# KiCad board MXKeyboard.kicad_pcb (continued)
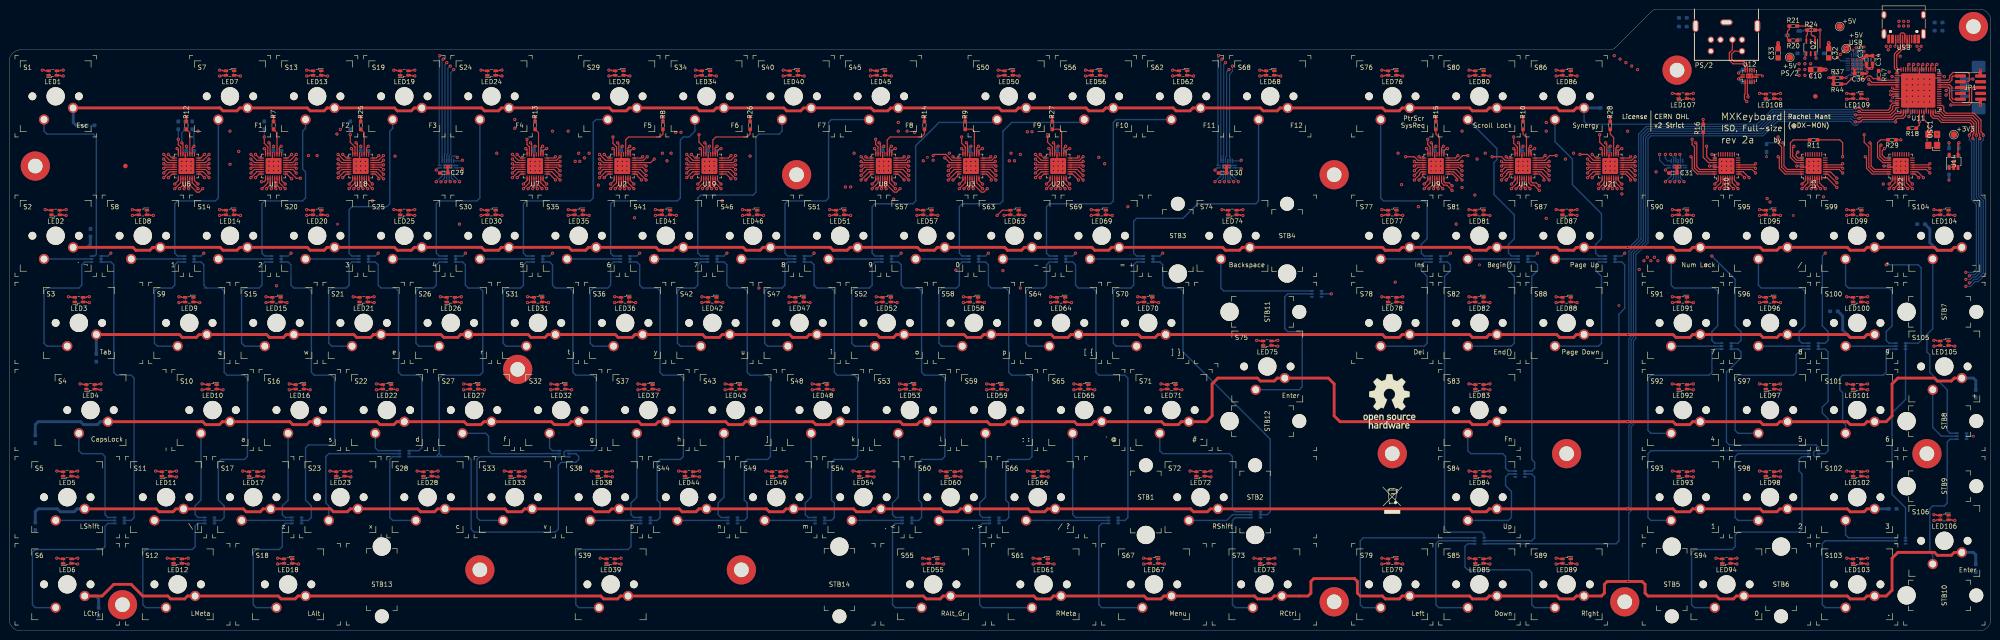
[diagram p0: board, top side]
## Library data of the parts
C1-C9 C14-C31 C34 = -: MFR: Multicomp; MPN: MC0603B104J250CT; OC_FARNELL: 2310559; URL_FARNELL: https://uk.farnell.com/multicomp/mc0603b104j250ct/cap-0-1-f-25v-5-x7r-0603-reel/dp/2310559
C10 C32 C33 = -: MFR: muRata; MPN: GRM21BR61A476ME15L; OC_FARNELL: 2611939; URL_FARNELL: https://uk.farnell.com/murata/grm21br61a476me15l/cap-47-f-10v-20-x5r-0805/dp/2611939
C11 C13 C35 C36 = -: MFR: Multicomp; MPN: MC0603B105K160CT; OC_FARNELL: 2320814; URL_FARNELL: https://uk.farnell.com/multicomp/mc0603b105k160ct/cap-1-f-16v-10-x7r-0603/dp/2320814
C12 = -: MFR: Multicomp; MPN: MC0603B471J500CT; OC_FARNELL: 2627442; URL_FARNELL: https://uk.farnell.com/multicomp/mc0603b471j500ct/cap-470pf-50v-5-x7r-0603/dp/2627442
D1-D37 = -: MFR: Nexperia; MPN: BAS16VY,115; OC_FARNELL: 8734240; URL_FARNELL: https://uk.farnell.com/nexperia/bas16vy-115/diode-switching-sot-363/dp/8734240
H1 H3 H5-H7 H10-H12 H14 = -: MFR: Accu; MPN: SHK-M3-20-A2-BL; URL: https://www.accu.co.uk/en/hexalobular-countersunk-screws/154624-SHK-M3-20-A2-BL
H2 H4 H8 H9 = -: MFR: Accu; MPN: SHP-M3-10-V2-A2-BL; URL: https://www.accu.co.uk/en/hexalobular-pan-head-screws/475666-SHP-M3-10-V2-A2-BL
H13 = -: MFR: Accu; MPN: SHP-M3-4-A2-BL; URL: https://www.accu.co.uk/en/hexalobular-pan-head-screws/154785-SHP-M3-4-A2-BL
J1 = -: MFR: Molex; OC_FARNELL: 1125374; URL_FARNELL: https://uk.farnell.com/molex/53261-0471/connector-header-4pos-1row-1-25mm/dp/1125374
JP1 = -: MFR: Amphenol ICC; MPN: 20021121-00010C4LF; OC_FARNELL: 1865279; URL_FARNELL: https://uk.farnell.com/amphenol-icc-fci/20021121-00010c4lf/connector-header-smt-r-a-1-27mm/dp/1865279
LED1-LED109 = -: MFR: Togia LED; MPN: TJ-S1615SW6TGLCCYRGB-A5; OC_LCSC: C273610; URL_LCSC: https://lcsc.com/product-detail/Light-Emitting-Diodes-LED_TOGIALED-TJ-S1615SW6TGLCCYRGB-A5_C273610.html
OSC1 = -: MFR: Multicomp; MPN: MCSJK-3N-16.00-3.3-25-B; OC_FARNELL: 2854286; URL_FARNELL: https://uk.farnell.com/multicomp/mcsjk-3n-16-00-3-3-25-b/oscillator-16mhz-3-2mm-x-2-5mm/dp/2854286
PS/2 = -: MFR: Lumberg; MPN: TM 0508 A/6; OC_FARNELL: 1200113; URL_FARNELL: https://uk.farnell.com/lumberg/tm-0508-a-6/socket-mini-din-chassis-6-way/dp/1200113
Q1 = -: MFR: Diodes Inc; OC_FARNELL: 2543546; URL_FARNELL: https://uk.farnell.com/diodes-inc/dmn65d8l-7/mosfet-n-ch-20v-sot-23-3/dp/2543546
Q2 = -: MFR: Diodes Inc; OC_FARNELL: 2543520; URL_FARNELL: https://uk.farnell.com/diodes-inc/dmp2240udm-7/mosfet-aec-q101-dual-p-ch-20v/dp/2543520
R1-R6 R30-R35 = -: MFR: Multicomp; MPN: MCWR06X2002FTL; OC_FARNELL: 2446610; URL_FARNELL: https://uk.farnell.com/multicomp/mcwr06x2002ftl/res-20k-1-0-1w-0603-thick-film/dp/2446610
R7-R11 = -: MFR: Multicomp; MPN: MCWR06X3302FTL; OC_FARNELL: 2447342; URL_FARNELL: https://uk.farnell.com/multicomp/mcwr06x3302ftl/res-33k-1-0-1w-0603-thick-film/dp/2447342
R12-R16 R25-R29 = -: MFR: Multicomp; MPN: MCWR06X1502FTL; OC_FARNELL: 2447256; URL_FARNELL: https://uk.farnell.com/multicomp/mcwr06x1502ftl/res-15k-1-0-1w-thick-film/dp/2447256
R17 R19 = -: MFR: Multicomp; MPN: MCWR06X1004FTL; OC_FARNELL: 2447285; URL_FARNELL: https://uk.farnell.com/multicomp/mcwr06x1004ftl/res-1m-1-0-1w-0603-thick-film/dp/2447285
R18 R20-R24 R36 R38 R47 = -: MFR: Multicomp; MPN: MCWR06X1002FTL; OC_FARNELL: 2446547; URL_FARNELL: https://uk.farnell.com/multicomp/mcwr06x1002ftl/res-10k-1-0-1w-0603-thick-film/dp/2446547
R37 R44 = -: MFR: Multicomp; MPN: MCWR06X5101FTL; OC_FARNELL: 2447404; URL_FARNELL: https://uk.farnell.com/multicomp/mcwr06x5101ftl/res-5k1-1-0-1w-0603-thick-film/dp/2447404
R45 R46 = -: MFR: Multicomp; MPN: MCWR06X1001FTL; OC_FARNELL: 2447272; URL_FARNELL: https://uk.farnell.com/multicomp/mcwr06x1001ftl/res-1k-1-0-1w-0603-thick-film/dp/2447272
S1-S75 S77-S106 = -: MFR: Cherry GmbH; MPN: MX1A-G1NA; OC_MOUSER: 540-MX1A-G1NA; URL_MOUSER: https://www.mouser.co.uk/ProductDetail/MX1A-G1NA
S76 = -: MFR: Cherry GmbH; MPN: MX1A-G1NA; OC_MOUSER: 540-MX1A-G1NA; URL_MOUSER: https://www.mouser.co.uk/ProductDetail/MX1A-G1NA; Value2: PtrScr
U1-U10 U18-U22 = -: MFR: Texas Instruments; OC_FARNELL: 3119197; URL_FARNELL: https://uk.farnell.com/texas-instruments/tlc5947rhbt/led-driver-constant-current-vqfn/dp/3119197
U11 = -: MFR: Atmel; OC_FARNELL: 2066308; URL_FARNELL: https://uk.farnell.com/microchip/atxmega256a3u-mh/mcu-8bit-avr-xmega-32mhz-qfn-64/dp/2066308
U12 = -: MFR: NXP; MPN: NTS0104BQ,115; OC_FARNELL: 2444925; URL_FARNELL: http://uk.farnell.com/nxp/nts0104bq-115/transceiver-bidir-translator-dhvqfn14/dp/2444925
U14 = -: MFR: Microchip; OC_FARNELL: 1331505; URL_FARNELL: https://uk.farnell.com/microchip/tc1015-3-3vct713/ic-v-reg-ldo-100ma-smd-sot-23/dp/1331505
U15-U17 = -: MFR: Nexperia; MPN: 74HC238BQ,115; OC_FARNELL: 2164750; URL_FARNELL: https://uk.farnell.com/nexperia/74hc238bq/ic-3-8-line-decoder-demux-dhvqfn16/dp/2164750
USB1 = -: MFR: Korean Hroparts Elec; OC_LCSC: C165948; URL_LCSC: https://lcsc.com/product-detail/USB-Type-C_Korean-Hroparts-Elec-TYPE-C-31-M-12_C165948.html

## Footprints (pads in the part's own frame, mm; a bottom-side part is the same pattern mirrored in y, then rotated)
C0603
  rrect 0.9x0.8 smd: 1(-0.85,0) 2(0.85,0)
C0805
  rrect 1.2x1.2 smd: 1(-1,0) 2(1,0)
DHVQFN-14-1EP_2.5x3mm_P0.5mm_EP1x1.5mm
  rrect 1x0.3 smd: 1(-1.5,-0.25) 7(1.5,-0.25) 8(1.5,0.25) 14(-1.5,0.25)
  rrect 0.3x1 smd: 2(-1,-1.25) 3(-0.5,-1.25) 4(0,-1.25) 5(0.5,-1.25) 6(1,-1.25) 9(1,1.25) 10(0.5,1.25) 11(0,1.25) 12(-0.5,1.25) 13(-1,1.25)
  rrect 1.6x1.1 smd: PGND(0,0)
DQFN16_1EP_2.5x3.5mm_P0.5mm
  rrect 1x0.3 smd: 1(-1.75,-0.25) 8(1.75,-0.25) 9(1.75,0.25) 16(-1.75,0.25)
  rrect 0.3x1 smd: 2(-1.25,-1.25) 3(-0.75,-1.25) 4(-0.25,-1.25) 5(0.25,-1.25) 6(0.75,-1.25) 7(1.25,-1.25) 10(1.25,1.25) 11(0.75,1.25) 12(0.25,1.25) 13(-0.25,1.25) 14(-0.75,1.25) 15(-1.25,1.25)
  rrect 2.1x1.1 smd: EP(0,0)
Fiducial_1mm_Mask2mm
  round 1 smd: (0,0)
LED0606_Clockwise
  rrect 1x0.6 smd: 1(0.9,0.5) 2(-0.9,0.5) 3(-0.9,-0.5) 4(0.9,-0.5)
Molex_PicoBlade_53261-0471_1x04-1MP_P1.25mm_Horizontal
  rrect 0.8x2 smd: 1(-1.875,2.6) 2(-0.625,2.6) 3(0.625,2.6) 4(1.875,2.6)
  rrect 2.5x3 smd: MP(-4.6,-0.5) MP(4.6,-0.5)
MountingHole_3.2mm_M3_Pad
  round 6.4 hole 3.2: 1(0,0)
MX_KEY_0.7X1.45
  round 1.702 hole 1.702 unplated: (-5.08,0) (5.08,0)
  round 3.988 hole 3.988 unplated: (0,0)
  round 2.248 hole 1.499: 1(-3.81,2.54) 2(2.54,5.08)
MX_KEY_1.1
  round 1.702 hole 1.702 unplated: (-5.08,0) (5.08,0)
  round 3.988 hole 3.988 unplated: (0,0)
  round 2.248 hole 1.499: 1(-3.81,2.54) 2(2.54,5.08)
MX_KEY_1.3
  round 1.702 hole 1.702 unplated: (-5.08,0) (5.08,0)
  round 3.988 hole 3.988 unplated: (0,0)
  round 2.248 hole 1.499: 1(-3.81,2.54) 2(2.54,5.08)
MX_KEY_1.25u
  round 1.702 hole 1.702 unplated: (-5.08,0) (5.08,0)
  round 3.988 hole 3.988 unplated: (0,0)
  round 2.248 hole 1.499: 1(-3.81,2.54) 2(2.54,5.08)
MX_KEY_1.45X0.7
  round 1.702 hole 1.702 unplated: (-5.08,0) (5.08,0)
  round 3.988 hole 3.988 unplated: (0,0)
  round 2.248 hole 1.499: 1(-3.81,2.54) 2(2.54,5.08)
MX_KEY_2
  round 1.702 hole 1.702 unplated: (-5.08,0) (5.08,0)
  round 3.988 hole 3.988 unplated: (0,0)
  round 2.248 hole 1.499: 1(-3.81,2.54) 2(2.54,5.08)
MX_KEY_4.45
  round 1.702 hole 1.702 unplated: (-5.08,0) (5.08,0)
  round 3.988 hole 3.988 unplated: (0,0)
  round 2.248 hole 1.499: 1(-3.81,2.54) 2(2.54,5.08)
MX_KEY_ENTER
  round 1.702 hole 1.702 unplated: (-5.08,0) (5.08,0)
  round 3.988 hole 3.988 unplated: (0,0)
  round 2.248 hole 1.499: 1(-3.81,2.54) 2(2.54,5.08)
MX_KEY_NORM
  round 1.702 hole 1.702 unplated: (-5.08,0) (5.08,0)
  round 3.988 hole 3.988 unplated: (0,0)
  round 2.248 hole 1.499: 1(-3.81,2.54) 2(2.54,5.08)
MX_STABILISER
  round 3.048 hole 3.048 unplated: (0,6.985)
  round 3.988 hole 3.988 unplated: (0,-8.255)
PinHeader_2x05_P1.27mm_Vertical_SMD
  rrect 2.4x0.74 smd: 1(-2.2,2.54) 2(2.2,2.54) 3(-2.2,1.27) 4(2.2,1.27) 5(-2.2,0) 6(2.2,0) 7(-2.2,-1.27) 8(2.2,-1.27) 9(-2.2,-2.54) 10(2.2,-2.54)
QFN-24-1EP_4x4mm_P0.5mm_EP2.6x2.6mm
  rrect 1.05x1.05 smd: (-0.65,-0.65) (-0.65,0.65) (0.65,-0.65) (0.65,0.65)
  rrect 1x0.25 smd: 1(-2.025,1.25) 2(-2.025,0.75) 3(-2.025,0.25) 4(-2.025,-0.25) 5(-2.025,-0.75) 6(-2.025,-1.25) 13(2.025,-1.25) 14(2.025,-0.75) 15(2.025,-0.25) 16(2.025,0.25) 17(2.025,0.75) 18(2.025,1.25)
  rrect 0.25x1 smd: 7(-1.25,-2.025) 8(-0.75,-2.025) 9(-0.25,-2.025) 10(0.25,-2.025) 11(0.75,-2.025) 12(1.25,-2.025) 19(1.25,2.025) 20(0.75,2.025) 21(0.25,2.025) 22(-0.25,2.025) 23(-0.75,2.025) 24(-1.25,2.025)
  rrect 2.6x2.6 smd: 25(0,0)
QFN-64-1EP_9x9mm_P0.5mm_EP7.5x7.5mm
  rrect 1.01x1.01 smd: (-3.125,3.125) (-3.125,1.875) (-3.125,0.625) (-3.125,-0.625) (-3.125,-1.875) (-3.125,-3.125) (-1.875,3.125) (-1.875,1.875) (-1.875,0.625) (-1.875,-0.625) (-1.875,-1.875) (-1.875,-3.125) (-0.625,3.125) (-0.625,1.875) (-0.625,0.625) (-0.625,-0.625) (-0.625,-1.875) (-0.625,-3.125) (0.625,3.125) (0.625,1.875) (0.625,0.625) (0.625,-0.625) (0.625,-1.875) (0.625,-3.125) (1.875,3.125) (1.875,1.875) (1.875,0.625) (1.875,-0.625) (1.875,-1.875) (1.875,-3.125) (3.125,3.125) (3.125,1.875) (3.125,0.625) (3.125,-0.625) (3.125,-1.875) (3.125,-3.125)
  rrect 1x0.25 smd: 1(-4.6,3.75) 2(-4.6,3.25) 3(-4.6,2.75) 4(-4.6,2.25) 5(-4.6,1.75) 6(-4.6,1.25) 7(-4.6,0.75) 8(-4.6,0.25) 9(-4.6,-0.25) 10(-4.6,-0.75) 11(-4.6,-1.25) 12(-4.6,-1.75) 13(-4.6,-2.25) 14(-4.6,-2.75) 15(-4.6,-3.25) 16(-4.6,-3.75) 33(4.6,-3.75) 34(4.6,-3.25) 35(4.6,-2.75) 36(4.6,-2.25) 37(4.6,-1.75) 38(4.6,-1.25) 39(4.6,-0.75) 40(4.6,-0.25) 41(4.6,0.25) 42(4.6,0.75) 43(4.6,1.25) 44(4.6,1.75) 45(4.6,2.25) 46(4.6,2.75) 47(4.6,3.25) 48(4.6,3.75)
  rrect 0.25x1 smd: 17(-3.75,-4.6) 18(-3.25,-4.6) 19(-2.75,-4.6) 20(-2.25,-4.6) 21(-1.75,-4.6) 22(-1.25,-4.6) 23(-0.75,-4.6) 24(-0.25,-4.6) 25(0.25,-4.6) 26(0.75,-4.6) 27(1.25,-4.6) 28(1.75,-4.6) 29(2.25,-4.6) 30(2.75,-4.6) 31(3.25,-4.6) 32(3.75,-4.6) 49(3.75,4.6) 50(3.25,4.6) 51(2.75,4.6) 52(2.25,4.6) 53(1.75,4.6) 54(1.25,4.6) 55(0.75,4.6) 56(0.25,4.6) 57(-0.25,4.6) 58(-0.75,4.6) 59(-1.25,4.6) 60(-1.75,4.6) 61(-2.25,4.6) 62(-2.75,4.6) 63(-3.25,4.6) 64(-3.75,4.6)
  rrect 7.5x7.5 smd: 65(0,0)
R0603
  rrect 0.9x0.8 smd: 1(-0.85,0) 2(0.85,0)
SMD3225
  rrect 1.6x1.4 smd: 1(-1.2,-0.95) 2(1.2,-0.95) 3(1.2,0.95) 4(-1.2,0.95)
SOT-23
  rrect 1.2x0.8 smd: 1(-1.3,0.95) 2(-1.3,-0.95) 3(1.3,0)
SOT-23-5
  rrect 1.1x0.65 smd: 1(-1.35,0.95) 2(-1.35,0) 3(-1.35,-0.95) 4(1.35,-0.95) 5(1.35,0.95)
SOT-26
  rrect 1.1x0.4 smd: 1(-1.35,0.95) 2(-1.35,0) 3(-1.35,-0.95) 4(1.35,-0.95) 5(1.35,0) 6(1.35,0.95)
SOT-363_SC-70-6
  rrect 0.8x0.4 smd: 1(-1.05,0.65) 2(-1.05,0) 3(-1.05,-0.65) 4(1.05,-0.65) 5(1.05,0) 6(1.05,0.65)
TestPoint_Pad_D1.5mm
  round 1.5 smd: 1(0,0)
TM 0508 A_6
  round 1.4 hole 0.9: 1(1.3,-3) 2(-1.3,-3) 3(3.4,-3) 4(-3.4,-3) 5(3.4,-5.5) 6(-3.4,-5.5)
  oval 1.3x2.7 hole 0.8x2.2: PE(-6.75,0) PE(6.75,0)
  oval 2.7x1.3 hole 2.2x0.8: PE(0,0.8)
USB_C_Receptacle_HRO_TYPE-C-31-M-12
  round 0.65 hole 0.65 unplated: (-2.89,2.6) (2.89,2.6)
  rrect 0.6x1.85 smd: A1(-3.25,4.245) A4(-2.45,4.245) A9(2.45,4.245) A12(3.25,4.245) B1(3.25,4.245) B4(2.45,4.245) B9(-2.45,4.245) B12(-3.25,4.245)
  rrect 0.3x1.85 smd: A5(-1.25,4.245) A6(-0.25,4.245) A7(0.25,4.245) A8(1.25,4.245) B5(1.75,4.245) B6(0.75,4.245) B7(-0.75,4.245) B8(-1.75,4.245)
  oval 1.1x2.2 hole 0.6x1.7: S1(-4.32,3.13) S1(4.32,3.13)
  oval 1.1x1.7 hole 0.6x1.2: S1(-4.32,-1.05) S1(4.32,-1.05)
VQFN-32-1EP_5x5mm_P0.5mm_EP3.5x3.5mm
  rrect 1.41x1.41 smd: (-0.875,0.875) (-0.875,-0.875) (0.875,0.875) (0.875,-0.875)
  rrect 1x0.25 smd: 1(-2.55,1.75) 2(-2.55,1.25) 3(-2.55,0.75) 4(-2.55,0.25) 5(-2.55,-0.25) 6(-2.55,-0.75) 7(-2.55,-1.25) 8(-2.55,-1.75) 17(2.55,-1.75) 18(2.55,-1.25) 19(2.55,-0.75) 20(2.55,-0.25) 21(2.55,0.25) 22(2.55,0.75) 23(2.55,1.25) 24(2.55,1.75)
  rrect 0.25x1 smd: 9(-1.75,-2.55) 10(-1.25,-2.55) 11(-0.75,-2.55) 12(-0.25,-2.55) 13(0.25,-2.55) 14(0.75,-2.55) 15(1.25,-2.55) 16(1.75,-2.55) 25(1.75,2.55) 26(1.25,2.55) 27(0.75,2.55) 28(0.25,2.55) 29(-0.25,2.55) 30(-0.75,2.55) 31(-1.25,2.55) 32(-1.75,2.55)
  rrect 3.5x3.5 smd: 33(0,0)

## Nets
+3V3: C2.1 C3.1 C4.1 C5.1 C6.1 C9.1 C13.1 C14.1 C15.1 C16.1 C17.1 C18.1 C19.1 C20.1 C21.1 C22.1 C23.1 C24.1 C25.1 C26.1 C27.1 C28.1 C29.1 C30.1 C31.1 J1.1 JP1.4 OSC1.4 R18.2 R38.2 R47.1 TP4.1 U1.28 U2.28 U3.28 U4.28 U5.28 U6.28 U7.28 U8.28 U9.28 U10.28 U11.15 U11.25 U11.35 U11.45 U11.53 U11.61 U12.1 U12.8 U14.5 U15.6 U15.16 U16.16 U17.16 U18.28 U19.28 U20.28 U21.28 U22.28
+5V: C10.1 C11.1 LED1.1 LED2.1 LED3.1 LED4.1 LED5.1 LED6.1 LED7.1 LED8.1 LED9.1 LED10.1 LED11.1 LED12.1 LED13.1 LED14.1 LED15.1 LED16.1 LED17.1 LED18.1 LED19.1 LED20.1 LED21.1 LED22.1 LED23.1 LED24.1 LED25.1 LED26.1 LED27.1 LED28.1 LED29.1 LED30.1 LED31.1 LED32.1 LED33.1 LED34.1 LED35.1 LED36.1 LED37.1 LED38.1 LED39.1 LED40.1 LED41.1 LED42.1 LED43.1 LED44.1 LED45.1 LED46.1 LED47.1 LED48.1 LED49.1 LED50.1 LED51.1 LED52.1 LED53.1 LED54.1 LED55.1 LED56.1 LED57.1 LED58.1 LED59.1 LED60.1 LED61.1 LED62.1 LED63.1 LED64.1 LED65.1 LED66.1 LED67.1 LED68.1 LED69.1 LED70.1 LED71.1 LED72.1 LED73.1 LED74.1 LED75.1 LED76.1 LED77.1 LED78.1 LED79.1 LED80.1 LED81.1 LED82.1 LED83.1 LED84.1 LED85.1 LED86.1 LED87.1 LED88.1 LED89.1 LED90.1 LED91.1 LED92.1 LED93.1 LED94.1 LED95.1 LED96.1 LED97.1 LED98.1 LED99.1 LED100.1 LED101.1 LED102.1 LED103.1 LED104.1 LED105.1 LED106.1 LED107.1 LED108.1 LED109.1 Q2.2 Q2.5 R20.1 TP2.1 U14.1 U14.3
/5V_PS2: C8.1 C33.1 PS/2.4 Q2.4 R36.1 TP3.1 U12.14
/5V_USB: C32.1 Q2.6 R22.1 R23.1 R24.2 TP1.1 U13.11 U13.18 USB1.A4 USB1.A9 USB1.B4 USB1.B9
GND: C1.2 C2.2 C3.2 C4.2 C5.2 C6.2 C7.1 C8.2 C9.2 C10.2 C11.2 C12.2 C13.2 C14.2 C15.2 C16.2 C17.2 C18.2 C19.2 C20.2 C21.2 C22.2 C23.2 C24.2 C25.2 C26.2 C27.2 C28.2 C29.2 C30.2 C31.2 C32.2 C33.2 C34.2 C35.2 C36.2 D15.3 D15.4 D17.3 D17.4 D26.3 D26.4 D30.3 D30.4 D36.3 D36.4 H1.1 H2.1 H3.1 H4.1 H5.1 H6.1 H7.1 H8.1 H9.1 H10.1 H11.1 H12.1 H13.1 H14.1 J1.4 J1.MP JP1.2 JP1.10 OSC1.2 PS/2.3 Q1.2 R1.1 R2.1 R3.1 R4.1 R5.1 R6.1 R7.2 R8.2 R9.2 R10.2 R11.2 R12.2 R13.2 R14.2 R15.2 R16.2 R17.2 R19.2 R22.2 R25.2 R26.2 R27.2 R28.2 R29.2 R30.2 R31.2 R32.2 R33.2 R34.2 R35.2 R36.2 R37.2 R39.2 R40.1 R41.1 R42.1 R43.2 R44.2 U1.29 U1.33 U2.29 U2.33 U3.29 U3.33 U4.29 U4.33 U5.29 U5.33 U6.29 U6.33 U7.29 U7.33 U8.29 U8.33 U9.29 U9.33 U10.29 U10.33 U11.14 U11.24 U11.34 U11.44 U11.52 U11.60 U11.65 U12.7 U12.PGND U13.1 U13.2 U13.19 U13.22 U13.25 U14.2 U15.8 U15.EP U16.5 U16.8 U16.EP U17.5 U17.8 U17.EP U18.29 U18.33 U19.29 U19.33 U20.29 U20.33 U21.29 U21.33 U22.29 U22.33 USB1.A1 USB1.A12 USB1.B1 USB1.B12
/Column decode/COLUMN1: D1.1 D1.2 D1.3 D2.1 D2.2 D2.3 U15.15
/Column decode/COLUMN2: D3.1 D3.2 D3.3 D4.1 D4.2 D4.3 U15.14
/Column decode/COLUMN3: D5.1 D5.2 D5.3 D6.1 D6.2 D6.3 U15.13
/Column decode/COLUMN4: D7.1 D7.2 D7.3 D8.1 D8.2 U15.12
/Column decode/COLUMN5: D8.3 D9.1 D9.2 D9.3 D11.2 U15.11
/Column decode/COLUMN6: D10.1 D10.2 D10.3 D11.1 D11.3 U15.10
/Column decode/COLUMN7: D12.1 D12.2 D12.3 D13.1 D13.2 D13.3 U15.9
/Column decode/COLUMN8: D14.1 D14.2 D14.3 D15.1 D15.2 U15.7
/Column decode/COLUMN9: D16.1 D16.2 D16.3 D17.1 D17.2 U16.15
/Column decode/COLUMN10: D18.1 D18.2 D18.3 D19.1 D19.2 D19.3 U16.14
/Column decode/COLUMN11: D20.1 D20.2 D20.3 D21.1 D21.2 D21.3 U16.13
/Column decode/COLUMN12: D22.1 D22.2 D22.3 D23.1 D23.2 D23.3 U16.12
/Column decode/COLUMN13: D24.1 D24.2 D24.3 D25.1 D25.2 D25.3 U16.11
/Column decode/COLUMN14: D26.1 D26.2 U16.10
/Column decode/COLUMN15: D27.1 D27.2 D27.3 D31.1 U16.9
/Column decode/COLUMN16: D28.1 D28.2 D28.3 D30.1 D30.2 D31.2 U16.7
/Column decode/COLUMN17: D29.1 D29.2 D29.3 D31.3 U17.15
/Column decode/COLUMN18: D32.1 D32.2 D32.3 D33.1 D33.3 U17.14
/Column decode/COLUMN19: D33.2 D34.1 D34.2 D34.3 U17.13
/Column decode/COLUMN20: D35.1 D35.2 D35.3 D36.1 D36.2 U17.12
/Column decode/COLUMN21: D37.1 D37.2 D37.3 U17.11
/Column decode/DCOL1: U11.62 U15.1 U16.1 U17.1
/Column decode/DCOL2: U11.63 U15.2 U16.2 U17.2
/Column decode/DCOL3: U11.64 U15.3 U16.3 U17.3
/Column decode/DCOL4: U11.1 U15.4 U16.6 U17.4
/Column decode/DCOL5: U11.2 U15.5 U16.4 U17.6
/Key matrix/ROW1: R1.2 R30.1 S1.1 S7.1 S13.1 S19.1 S24.1 S29.1 S34.1 S40.1 S45.1 S50.1 S56.1 S62.1 S68.1 S76.1 S80.1 S86.1 U11.46
/Key matrix/ROW2: R2.2 R31.1 S2.1 S8.1 S14.1 S20.1 S25.1 S30.1 S35.1 S41.1 S46.1 S51.1 S57.1 S63.1 S69.1 S74.1 S77.1 S81.1 S87.1 S90.1 S95.1 S99.1 S104.1 U11.47
/Key matrix/ROW3: R3.2 R32.1 S3.1 S9.1 S15.1 S21.1 S26.1 S31.1 S36.1 S42.1 S47.1 S52.1 S58.1 S64.1 S70.1 S78.1 S82.1 S88.1 S91.1 S96.1 S100.1 U11.48
/Key matrix/ROW4: R4.2 R33.1 S4.1 S10.1 S16.1 S22.1 S27.1 S32.1 S37.1 S43.1 S48.1 S53.1 S59.1 S65.1 S71.1 S75.1 S83.1 S92.1 S97.1 S101.1 S105.1 U11.49
/Key matrix/ROW5: R5.2 R34.1 S5.1 S11.1 S17.1 S23.1 S28.1 S33.1 S38.1 S44.1 S49.1 S54.1 S60.1 S66.1 S72.1 S84.1 S93.1 S98.1 S102.1 U11.50
/Key matrix/ROW6: R6.2 R35.1 S6.1 S12.1 S18.1 S39.1 S55.1 S61.1 S67.1 S73.1 S79.1 S85.1 S89.1 S94.1 S103.1 S106.1 U11.51
/LEDs + Drivers/BLANK: R38.1 R42.2 U1.30 U2.30 U3.30 U4.30 U5.30 U6.30 U7.30 U8.30 U9.30 U10.30 U11.40 U18.30 U19.30 U20.30 U21.30 U22.30
/LEDs + Drivers/COPI_BLUE: U10.32 U11.23
/LEDs + Drivers/COPI_GREEN: U5.32 U11.19
/LEDs + Drivers/COPI_RED: U11.29 U22.32
/LEDs + Drivers/MISO_BLUE: U6.25
/LEDs + Drivers/MISO_GREEN: U1.25
/LEDs + Drivers/MISO_RED: U18.25
/LEDs + Drivers/RED1: LED1.4 U18.1
/LEDs + Drivers/RED2: LED2.4 U18.2
/LEDs + Drivers/RED3: LED3.4 U18.3
/LEDs + Drivers/RED4: LED4.4 U18.4
/LEDs + Drivers/RED5: LED5.4 U18.5
/LEDs + Drivers/RED6: LED6.4 U18.6
/LEDs + Drivers/RED7: LED7.4 U18.7
/LEDs + Drivers/RED8: LED8.4 U18.8
/LEDs + Drivers/RED9: LED9.4 U18.9
/LEDs + Drivers/RED10: LED10.4 U18.10
/LEDs + Drivers/RED11: LED11.4 U18.11
/LEDs + Drivers/RED12: LED12.4 U18.12
/LEDs + Drivers/RED13: LED13.4 U18.13
/LEDs + Drivers/RED14: LED14.4 U18.14
/LEDs + Drivers/RED15: LED15.4 U18.15
/LEDs + Drivers/RED16: LED16.4 U18.16
/LEDs + Drivers/RED17: LED17.4 U18.17
/LEDs + Drivers/RED18: LED18.4 U18.18
/LEDs + Drivers/RED19: LED19.4 U18.19
/LEDs + Drivers/RED20: LED20.4 U18.20
/LEDs + Drivers/RED21: LED21.4 U18.21
/LEDs + Drivers/RED22: LED22.4 U18.22
/LEDs + Drivers/RED23: LED23.4 U18.23
/LEDs + Drivers/RED24: LED24.4 U18.24
/LEDs + Drivers/RED25: LED25.4 U19.1
/LEDs + Drivers/RED26: LED26.4 U19.2
/LEDs + Drivers/RED27: LED27.4 U19.3
/LEDs + Drivers/RED28: LED28.4 U19.4
/LEDs + Drivers/RED29: LED29.4 U19.5
/LEDs + Drivers/RED30: LED30.4 U19.6
/LEDs + Drivers/RED31: LED31.4 U19.7
/LEDs + Drivers/RED32: LED32.4 U19.8
/LEDs + Drivers/RED33: LED33.4 U19.9
/LEDs + Drivers/RED34: LED34.4 U19.10
/LEDs + Drivers/RED35: LED35.4 U19.11
/LEDs + Drivers/RED36: LED36.4 U19.12
/LEDs + Drivers/RED37: LED37.4 U19.13
/LEDs + Drivers/RED38: LED38.4 U19.14
/LEDs + Drivers/RED39: LED39.4 U19.15
/LEDs + Drivers/RED40: LED40.4 U19.16
/LEDs + Drivers/RED41: LED41.4 U19.17
/LEDs + Drivers/RED42: LED42.4 U19.18
/LEDs + Drivers/RED43: LED43.4 U19.19
/LEDs + Drivers/RED44: LED44.4 U19.20
/LEDs + Drivers/RED45: LED45.4 U19.21
/LEDs + Drivers/RED46: LED46.4 U19.22
/LEDs + Drivers/RED47: LED47.4 U19.23
/LEDs + Drivers/RED48: LED48.4 U19.24
/LEDs + Drivers/RED49: LED49.4 U20.1
/LEDs + Drivers/RED50: LED50.4 U20.2
/LEDs + Drivers/RED51: LED51.4 U20.3
/LEDs + Drivers/RED52: LED52.4 U20.4
/LEDs + Drivers/RED53: LED53.4 U20.5
/LEDs + Drivers/RED54: LED54.4 U20.6
/LEDs + Drivers/RED55: LED55.4 U20.7
/LEDs + Drivers/RED56: LED56.4 U20.8
/LEDs + Drivers/RED57: LED57.4 U20.9
/LEDs + Drivers/RED58: LED58.4 U20.10
/LEDs + Drivers/RED59: LED59.4 U20.11
/LEDs + Drivers/RED60: LED60.4 U20.12
/LEDs + Drivers/RED61: LED61.4 U20.13
/LEDs + Drivers/RED62: LED62.4 U20.14
/LEDs + Drivers/RED63: LED63.4 U20.15
/LEDs + Drivers/RED64: LED64.4 U20.16
/LEDs + Drivers/RED65: LED65.4 U20.17
/LEDs + Drivers/RED66: LED66.4 U20.18
/LEDs + Drivers/RED67: LED67.4 U20.19
/LEDs + Drivers/RED68: LED68.4 U20.20
/LEDs + Drivers/RED69: LED69.4 U20.21
/LEDs + Drivers/RED70: LED70.4 U20.22
/LEDs + Drivers/RED71: LED71.4 U20.23
/LEDs + Drivers/RED72: LED72.4 U20.24
/LEDs + Drivers/RED73: LED73.4 U21.1
/LEDs + Drivers/RED74: LED74.4 U21.2
/LEDs + Drivers/RED75: LED75.4 U21.3
/LEDs + Drivers/RED76: LED76.4 U21.4
/LEDs + Drivers/RED77: LED77.4 U21.5
/LEDs + Drivers/RED78: LED78.4 U21.6
/LEDs + Drivers/RED79: LED79.4 U21.7
/LEDs + Drivers/RED80: LED80.4 U21.8
/LEDs + Drivers/RED81: LED81.4 U21.9
/LEDs + Drivers/RED82: LED82.4 U21.10
/LEDs + Drivers/RED83: LED83.4 U21.11
/LEDs + Drivers/RED84: LED84.4 U21.12
/LEDs + Drivers/RED85: LED85.4 U21.13
/LEDs + Drivers/RED86: LED86.4 U21.14
/LEDs + Drivers/RED87: LED87.4 U21.15
/LEDs + Drivers/RED88: LED88.4 U21.16
/LEDs + Drivers/RED89: LED89.4 U21.17
/LEDs + Drivers/RED90: LED90.4 U21.18
/LEDs + Drivers/RED91: LED91.4 U21.19
/LEDs + Drivers/RED92: LED92.4 U21.20
/LEDs + Drivers/RED93: LED93.4 U21.21
/LEDs + Drivers/RED94: LED94.4 U21.22
/LEDs + Drivers/RED95: LED95.4 U21.23
/LEDs + Drivers/RED96: LED96.4 U21.24
/LEDs + Drivers/RED97: LED97.4 U22.1
/LEDs + Drivers/RED98: LED98.4 U22.2
/LEDs + Drivers/RED99: LED99.4 U22.3
/LEDs + Drivers/RED100: LED100.4 U22.4
/LEDs + Drivers/RED101: LED101.4 U22.5
/LEDs + Drivers/RED102: LED102.4 U22.6
/LEDs + Drivers/RED103: LED103.4 U22.7
/LEDs + Drivers/RED104: LED104.4 U22.8
/LEDs + Drivers/RED105: LED105.4 U22.9
/LEDs + Drivers/RED106: LED106.4 U22.10
/LEDs + Drivers/RED107: LED107.4 U22.11
/LEDs + Drivers/RED108: LED108.4 U22.12
/LEDs + Drivers/RED109: LED109.4 U22.13
/LEDs + Drivers/SCLK_BLUE: R40.2 U6.31 U7.31 U8.31 U9.31 U10.31 U11.21
/LEDs + Drivers/SCLK_GREEN: R39.1 U1.31 U2.31 U3.31 U4.31 U5.31 U11.17
/LEDs + Drivers/SCLK_RED: R41.2 U11.27 U18.31 U19.31 U20.31 U21.31 U22.31
/LEDs + Drivers/XLAT: R43.1 U1.26 U2.26 U3.26 U4.26 U5.26 U6.26 U7.26 U8.26 U9.26 U10.26 U11.41 U18.26 U19.26 U20.26 U21.26 U22.26
/Processor + comms/16MHZ: OSC1.3 U11.59
/Processor + comms/CC1: U13.15 USB1.A5
/Processor + comms/CC2: U13.14 USB1.B5
/Processor + comms/D+: U11.33 U13.17 USB1.A6 USB1.B6
/Processor + comms/D-: U11.32 U13.16 USB1.A7 USB1.B7
/Processor + comms/DBG_RX: J1.3 U11.42
/Processor + comms/DBG_TX: J1.2 U11.43
/Processor + comms/EARTH_PS/2: C7.2 PS/2.PE R19.1
/Processor + comms/EARTH_USB: C1.1 R17.1 USB1.S1
/Processor + comms/PD_VCore: C36.1 U13.24
/Processor + comms/PD_VIO: C34.1 C35.1 R45.2 R46.2 U13.23
/Processor + comms/PS2_CLK: PS/2.5 U12.12
/Processor + comms/PS2_DATA: PS/2.1 U12.13
/Processor + comms/TCK: JP1.1 U11.12
/Processor + comms/TDI: JP1.9 U11.11
/Processor + comms/TDO: JP1.3 U11.13
/Processor + comms/TMS: JP1.5 U11.10
/Processor + comms/~{PD_OK}: R47.2 U11.36 U13.4
/Processor + comms/~{RESET}: JP1.6 R18.1 U11.57
Net-(C12-Pad1): C12.1 U14.4
Net-(D1-Pad4): D1.4 S3.2
Net-(D1-Pad5): D1.5 S2.2
Net-(D2-Pad4): D2.4 S6.2
Net-(D3-Pad4): D3.4 S9.2
Net-(D3-Pad5): D3.5 S8.2
Net-(D3-Pad6): D3.6 S7.2
Net-(D4-Pad4): D4.4 S12.2
Net-(D4-Pad5): D4.5 S11.2
Net-(D5-Pad4): D5.4 S15.2
Net-(D5-Pad5): D5.5 S14.2
Net-(D6-Pad5): D6.5 S17.2
Net-(D6-Pad6): D6.6 S16.2
Net-(D7-Pad5): D7.5 S20.2
Net-(D8-Pad4): D8.4 S28.2
Net-(D8-Pad6): D8.6 S22.2
Net-(D9-Pad4): D9.4 S26.2
Net-(D9-Pad5): D9.5 S25.2
Net-(D10-Pad4): D10.4 S31.2
Net-(D11-Pad4): D11.4 S33.2
Net-(D11-Pad5): D11.5 S27.2
Net-(D11-Pad6): D11.6 S32.2
Net-(D12-Pad4): D12.4 S36.2
Net-(D12-Pad5): D12.5 S35.2
Net-(D14-Pad4): D14.4 S42.2
Net-(D14-Pad5): D14.5 S41.2
Net-(D14-Pad6): D14.6 S40.2
Net-(D15-Pad6): D15.6 S43.2
Net-(D16-Pad5): D16.5 S46.2
Net-(D16-Pad6): D16.6 S45.2
Net-(D17-Pad6): D17.6 S48.2
Net-(D18-Pad5): D18.5 S51.2
Net-(D18-Pad6): D18.6 S50.2
Net-(D19-Pad6): D19.6 S53.2
Net-(D20-Pad4): D20.4 S58.2
Net-(D20-Pad6): D20.6 S56.2
Net-(D21-Pad4): D21.4 S61.2
Net-(D21-Pad5): D21.5 S60.2
Net-(D21-Pad6): D21.6 S59.2
Net-(D22-Pad4): D22.4 S64.2
Net-(D22-Pad5): D22.5 S63.2
Net-(D22-Pad6): D22.6 S62.2
Net-(D23-Pad4): D23.4 S67.2
Net-(D23-Pad5): D23.5 S66.2
Net-(D23-Pad6): D23.6 S65.2
Net-(D24-Pad4): D24.4 S70.2
Net-(D24-Pad6): D24.6 S68.2
Net-(D26-Pad5): D26.5 S75.2
Net-(D27-Pad5): D27.5 S77.2
Net-(D27-Pad6): D27.6 S76.2
Net-(D28-Pad5): D28.5 S81.2
Net-(D28-Pad6): D28.6 S80.2
Net-(D29-Pad4): D29.4 S88.2
Net-(D29-Pad5): D29.5 S87.2
Net-(D30-Pad5): D30.5 S84.2
Net-(D30-Pad6): D30.6 S83.2
Net-(D31-Pad4): D31.4 S89.2
Net-(D31-Pad5): D31.5 S85.2
Net-(D31-Pad6): D31.6 S79.2
Net-(D32-Pad4): D32.4 S92.2
Net-(D32-Pad6): D32.6 S90.2
Net-(D33-Pad5): D33.5 S98.2
Net-(D34-Pad5): D34.5 S96.2
Net-(D34-Pad6): D34.6 S95.2
Net-(D35-Pad4): D35.4 S101.2
Net-(D35-Pad5): D35.5 S100.2
Net-(D35-Pad6): D35.6 S99.2
Net-(D36-Pad5): D36.5 S103.2
Net-(D36-Pad6): D36.6 S102.2
Net-(D37-Pad4): D37.4 S106.2
Net-(D37-Pad5): D37.5 S105.2
Net-(D37-Pad6): D37.6 S104.2
Net-(LED1-Pad2): LED1.2 U6.1
Net-(LED1-Pad3): LED1.3 U1.1
Net-(LED2-Pad2): LED2.2 U6.2
Net-(LED2-Pad3): LED2.3 U1.2
Net-(LED3-Pad2): LED3.2 U6.3
Net-(LED3-Pad3): LED3.3 U1.3
Net-(LED4-Pad2): LED4.2 U6.4
Net-(LED4-Pad3): LED4.3 U1.4
Net-(LED5-Pad2): LED5.2 U6.5
Net-(LED5-Pad3): LED5.3 U1.5
Net-(LED6-Pad2): LED6.2 U6.6
Net-(LED6-Pad3): LED6.3 U1.6
Net-(LED7-Pad2): LED7.2 U6.7
Net-(LED7-Pad3): LED7.3 U1.7
Net-(LED8-Pad2): LED8.2 U6.8
Net-(LED8-Pad3): LED8.3 U1.8
Net-(LED9-Pad2): LED9.2 U6.9
Net-(LED9-Pad3): LED9.3 U1.9
Net-(LED10-Pad2): LED10.2 U6.10
Net-(LED10-Pad3): LED10.3 U1.10
Net-(LED11-Pad2): LED11.2 U6.11
Net-(LED11-Pad3): LED11.3 U1.11
Net-(LED12-Pad2): LED12.2 U6.12
Net-(LED12-Pad3): LED12.3 U1.12
Net-(LED13-Pad2): LED13.2 U6.13
Net-(LED13-Pad3): LED13.3 U1.13
Net-(LED14-Pad2): LED14.2 U6.14
Net-(LED14-Pad3): LED14.3 U1.14
Net-(LED15-Pad2): LED15.2 U6.15
Net-(LED15-Pad3): LED15.3 U1.15
Net-(LED16-Pad2): LED16.2 U6.16
Net-(LED16-Pad3): LED16.3 U1.16
Net-(LED17-Pad2): LED17.2 U6.17
Net-(LED17-Pad3): LED17.3 U1.17
Net-(LED18-Pad2): LED18.2 U6.18
Net-(LED18-Pad3): LED18.3 U1.18
Net-(LED19-Pad2): LED19.2 U6.19
Net-(LED19-Pad3): LED19.3 U1.19
Net-(LED20-Pad2): LED20.2 U6.20
Net-(LED20-Pad3): LED20.3 U1.20
Net-(LED21-Pad2): LED21.2 U6.21
Net-(LED21-Pad3): LED21.3 U1.21
Net-(LED22-Pad2): LED22.2 U6.22
Net-(LED22-Pad3): LED22.3 U1.22
Net-(LED23-Pad2): LED23.2 U6.23
Net-(LED23-Pad3): LED23.3 U1.23
Net-(LED24-Pad2): LED24.2 U6.24
Net-(LED24-Pad3): LED24.3 U1.24
Net-(LED25-Pad2): LED25.2 U7.1
Net-(LED25-Pad3): LED25.3 U2.1
Net-(LED26-Pad2): LED26.2 U7.2
Net-(LED26-Pad3): LED26.3 U2.2
Net-(LED27-Pad2): LED27.2 U7.3
Net-(LED27-Pad3): LED27.3 U2.3
Net-(LED28-Pad2): LED28.2 U7.4
Net-(LED28-Pad3): LED28.3 U2.4
Net-(LED29-Pad2): LED29.2 U7.5
Net-(LED29-Pad3): LED29.3 U2.5
Net-(LED30-Pad2): LED30.2 U7.6
Net-(LED30-Pad3): LED30.3 U2.6
Net-(LED31-Pad2): LED31.2 U7.7
Net-(LED31-Pad3): LED31.3 U2.7
Net-(LED32-Pad2): LED32.2 U7.8
Net-(LED32-Pad3): LED32.3 U2.8
Net-(LED33-Pad2): LED33.2 U7.9
Net-(LED33-Pad3): LED33.3 U2.9
Net-(LED34-Pad2): LED34.2 U7.10
Net-(LED34-Pad3): LED34.3 U2.10
Net-(LED35-Pad2): LED35.2 U7.11
Net-(LED35-Pad3): LED35.3 U2.11
Net-(LED36-Pad2): LED36.2 U7.12
Net-(LED36-Pad3): LED36.3 U2.12
Net-(LED37-Pad2): LED37.2 U7.13
Net-(LED37-Pad3): LED37.3 U2.13
Net-(LED38-Pad2): LED38.2 U7.14
Net-(LED38-Pad3): LED38.3 U2.14
Net-(LED39-Pad2): LED39.2 U7.15
Net-(LED39-Pad3): LED39.3 U2.15
Net-(LED40-Pad2): LED40.2 U7.16
Net-(LED40-Pad3): LED40.3 U2.16
Net-(LED41-Pad2): LED41.2 U7.17
Net-(LED41-Pad3): LED41.3 U2.17
Net-(LED42-Pad2): LED42.2 U7.18
Net-(LED42-Pad3): LED42.3 U2.18
Net-(LED43-Pad2): LED43.2 U7.19
Net-(LED43-Pad3): LED43.3 U2.19
Net-(LED44-Pad2): LED44.2 U7.20
Net-(LED44-Pad3): LED44.3 U2.20
Net-(LED45-Pad2): LED45.2 U7.21
Net-(LED45-Pad3): LED45.3 U2.21
Net-(LED46-Pad2): LED46.2 U7.22
Net-(LED46-Pad3): LED46.3 U2.22
Net-(LED47-Pad2): LED47.2 U7.23
Net-(LED47-Pad3): LED47.3 U2.23
Net-(LED48-Pad2): LED48.2 U7.24
Net-(LED48-Pad3): LED48.3 U2.24
Net-(LED49-Pad2): LED49.2 U8.1
Net-(LED49-Pad3): LED49.3 U3.1
Net-(LED50-Pad2): LED50.2 U8.2
Net-(LED50-Pad3): LED50.3 U3.2
Net-(LED51-Pad2): LED51.2 U8.3
Net-(LED51-Pad3): LED51.3 U3.3
